# KiCad board r1_panel.kicad_pcb (continued)
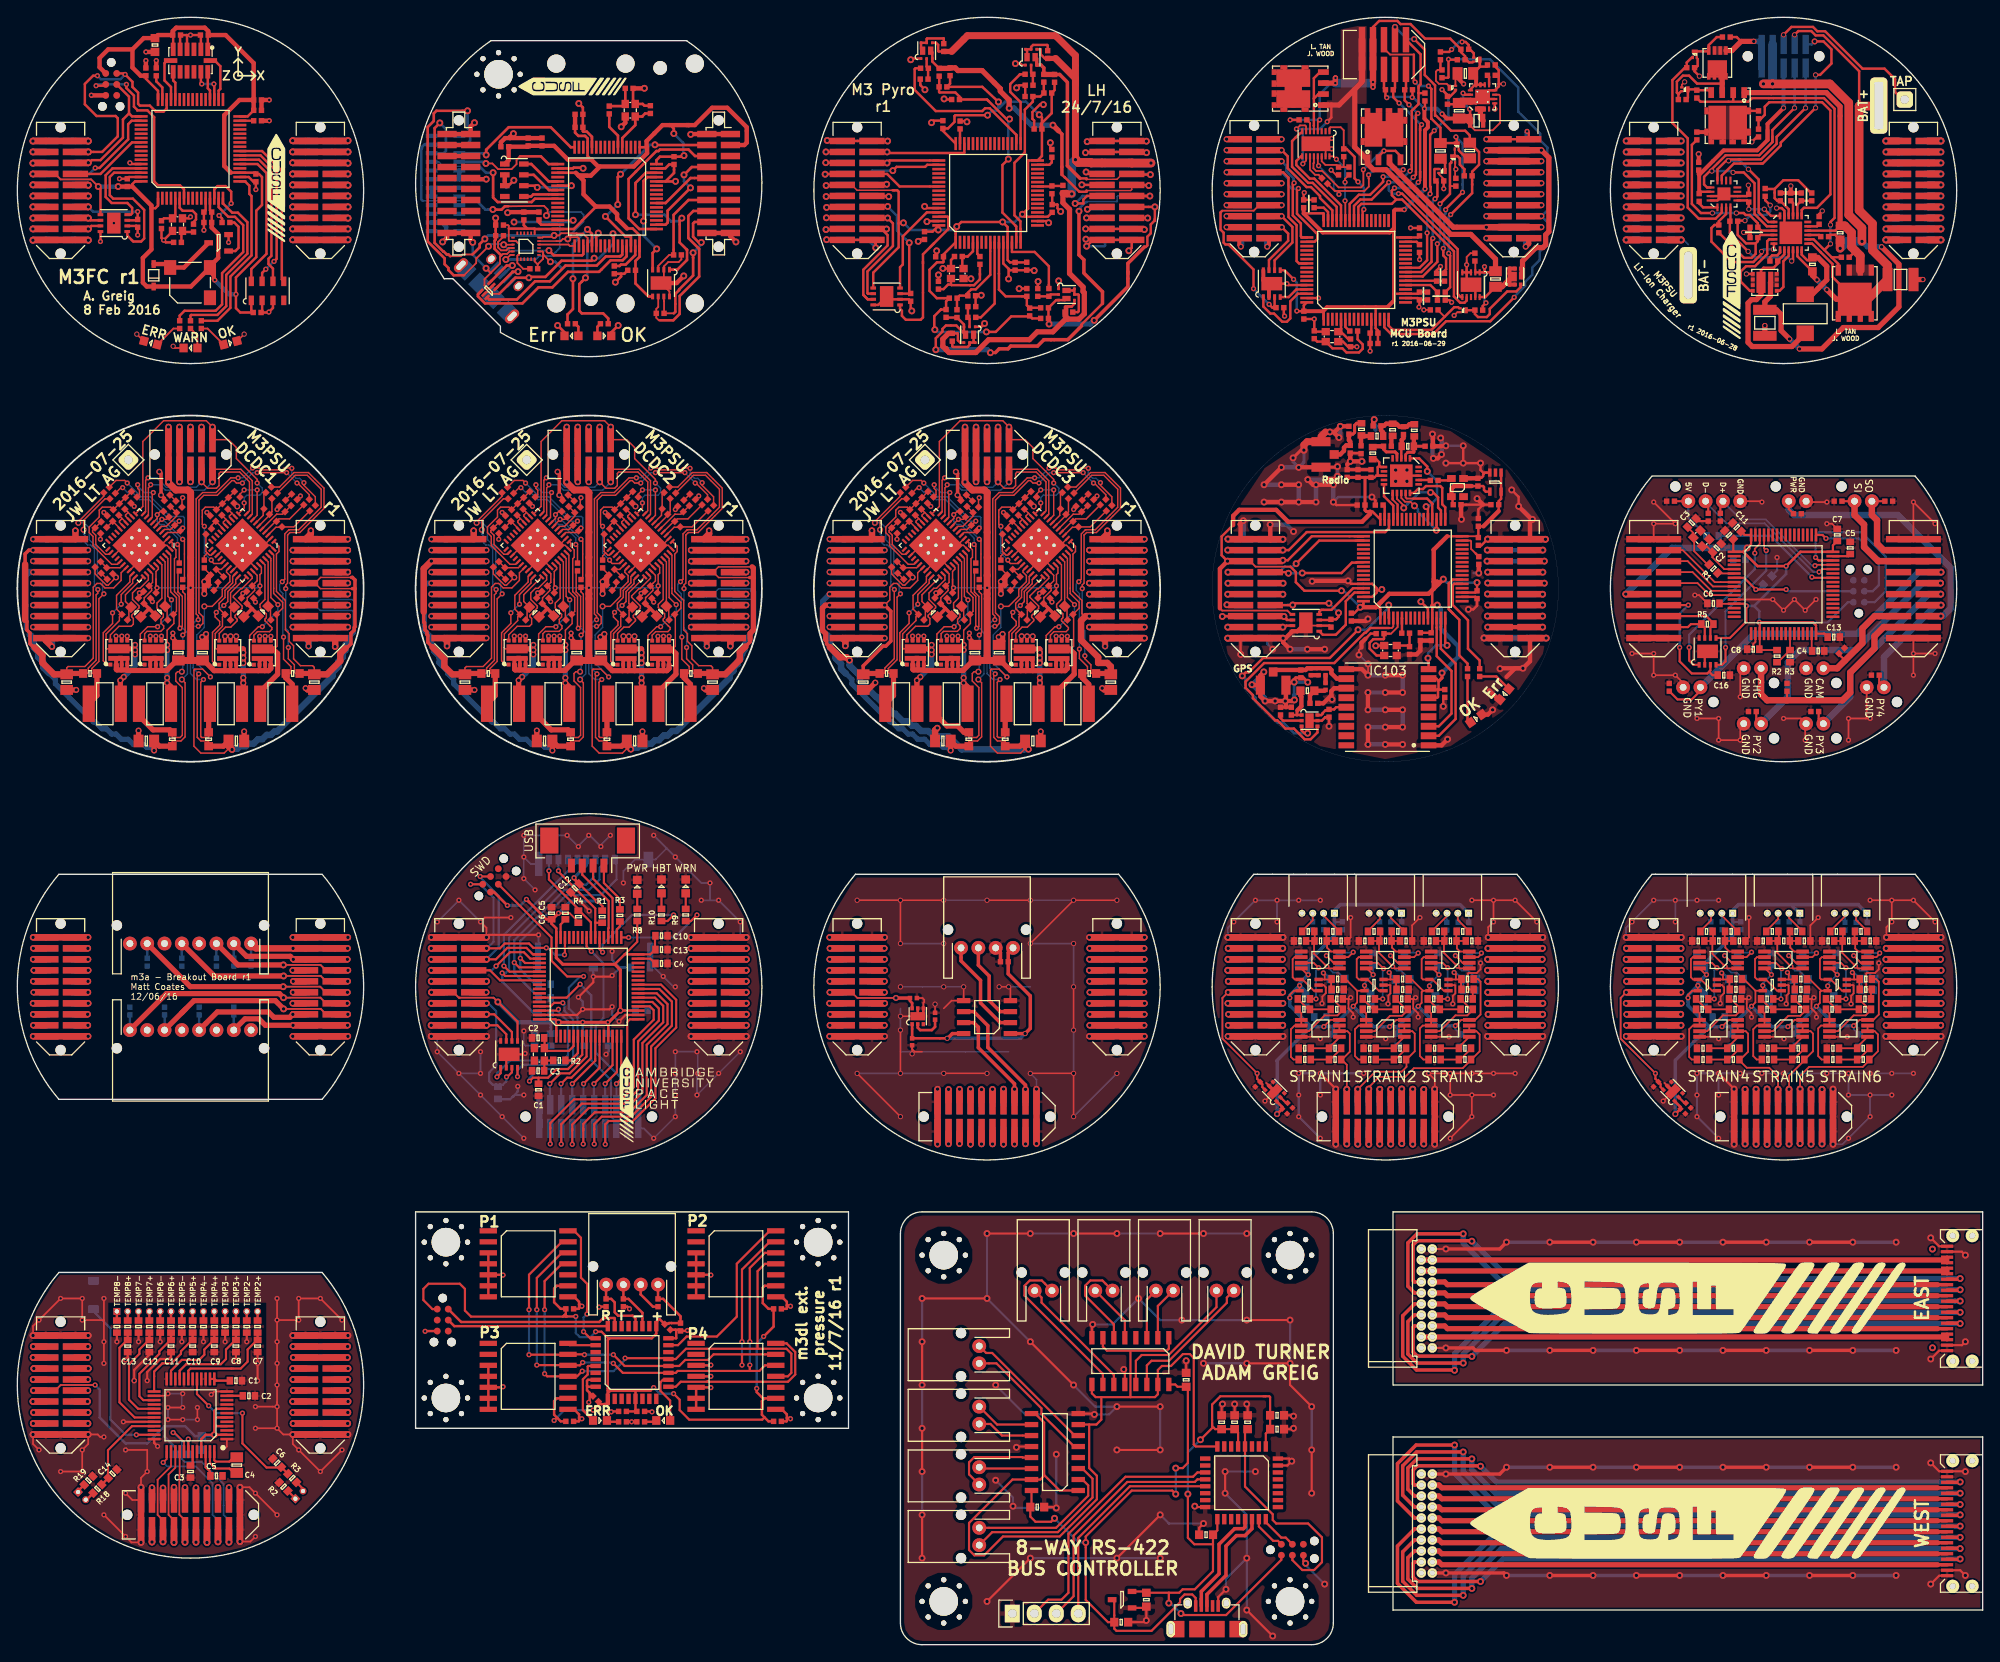
[diagram p0: board, top side]
## Routing (per net, layer and track width the routed paths; a pad name or vN(x,y) marks a point on that pad's centre or on a via; arc(x,y) is an arc through that point) (continued)
  Bottom w0.3: v1(67.1,163.07) 66.9,162.88 66.85,162.88 65.83,161.85 65.83,158.1
/LED_RED: length 47
  Top w0.28: R2.1 18.75,153.54 19.31,154.1 22.91,154.1 23.65,154.84 23.65,158.45 26.09,160.89 26.09,163.99 25.13,164.95 24.37,164.95 23.25,166.07 IC1.15 ; R102.1 168.9,113.7 167.55,115.05 167.55,118.35 165.8,120.11 165.8,122.39 165.95,122.55 IC101.21
  Top w0.3: v1(65.85,163.5) 66.37,162.98 IC1#11.37 ; v1(64.18,157.8) 64.18,154.3 63.55,153.68 R2#11.1
  Bottom w0.3: v1(65.85,163.5) 64.18,161.82 v1(64.18,157.8)
/LED_YLW: length 20.2
  Top w0.28: IC1.16 23.75,166.5 24.82,165.43 25.47,165.43 26.57,164.33 26.57,160.69 24.13,158.25 24.13,154.64 23.11,153.62 20.08,153.62 20,153.54 R3.1
/MISO: length 111.2
  Top w0.2: 51.59,158.2 53,159.61 53,160.2 53.08,160.2 v1(54.43,161.55) ; v1(56.18,161.73) 57.23,161.73 IC4#4.9
  Top w0.25: v3(59.1,38.7) 59.1,42.74 62.9,46.54 IC1#15.13 ; v3(59.1,33.5) 63.56,33.5 IC3#6.13 65.46,33.54 v3(65.5,33.5) ; IC2#13.13 86.9,46.54 83.7,43.34 v3(83.7,35) ; 83.7,33.54 IC4#6.13 ; 83.7,33.54 80.42,33.54 79.77,32.9 77.14,32.9 76.45,32.2 IC5#4.12 70.14,32.2 v3(68.84,33.5) ; 83.7,33.54 v3(83.7,32.3)
  Top w0.3: v1(61.4,161.06) 61.96,160.5 65.23,160.5 65.37,160.64 IC1#11.35 ; v1(52,177.2) 48.4,177.2 48.1,176.9 48.1,176.02 47.4,175.32 47.4,162.1 49.35,160.15 49.35,159.48 49.8,159.03 49.8,158.8 50.4,158.2 51.59,158.2
  Bottom w0.2: v1(54.43,161.55) 54.68,161.8 56.11,161.8 v1(56.18,161.73) 56.85,161.06 v1(61.4,161.06)
  Bottom w0.25: v3(83.7,35) v3(83.7,32.3) ; v3(59.1,33.5) v3(59.1,38.7) ; v3(65.5,33.5) v3(68.84,33.5)
  Bottom w0.3: v1(52,177.2) 52,175.2 52.3,174.9 52.3,173.72 51.88,173.3 U1#3.4
/MOSI: length 102.3
  Top w0.2: 50,160.4 51.23,160.4 51.43,160.6 52.57,160.6 ; IC1#11.36 65.87,162.51 65.33,162.99 65.36,163.02 64.62,163.02 64.59,163.05 62.82,163.05 62.57,162.8 v1(62,162.8) 61.83,162.63 60.73,162.63 60.65,162.55 IC4#4.24
  Top w0.25: v3(65.25,31.6) 64.65,31 IC3#6.11 61.2,31 v3(60.9,31.3) ; IC1#15.11 62.9,44 60.9,42 v3(60.9,38.7) ; 85.5,34.18 85.5,43.15 86.35,44 IC2#13.11 ; 85.5,34.18 77.24,34.18 76.05,33 IC5#4.13 75.1,33.1 v3(70.2,33.1) ; 85.5,34.18 88.84,34.18 89.4,33.63 89.4,31.4 89,31 IC4#6.11
  Top w0.3: 50,160.4 49.8,160.6 49.6,160.6 49.26,160.94 49.2,160.94 48.2,161.94 48.2,175.2 v1(48.8,175.8) ; v1(54,162.4) 53.4,161.8 53.4,161.43 52.57,160.6
  Bottom w0.25: v3(70.2,33.1) 70.2,32.93 68.87,31.6 v3(65.25,31.6) ; v3(60.9,38.7) v3(60.9,31.3)
  Bottom w0.3: v1(48.8,175.8) 49.5,175.1 49.5,172.55 49.25,172.3 U1#3.5 ; v1(62,162.8) 54.4,162.8 v1(54,162.4)
/MPU_IRQ: length 19.6
  Top w0.2: v1(64.2,164.55) 63.67,164.55 63.66,164.54 IC1#11.30 ; IC4#4.12 56.95,160.55 v1(56.42,160.02)
  Top w0.3: 62.43,164.55 IC1#11.30
  Bottom w0.2: 62.61,164.35 62.65,164.31 62.65,161.35 62.17,160.88 62.17,160.87 61.71,160.41 60.26,160.41 59.88,160.03 59.75,160.03
  Bottom w0.3: v1(57.38,164.35) 64,164.35 v1(64.2,164.55) ; v1(56.42,160.02) 56.5,159.94 56.75,159.94 56.84,160.03 59.75,160.03
/nRST: length 26.2
  Top w0.25: C5#16.1 141.8,24.6 IC1#17.4 141.8,18.26 145,15.06 145,14.4 145.4,14 149.09,14 150.69,12.4 150.69,9.53 149.78,8.62 148.42,8.62 147.27,9.77 P1#4.3
/OTG_FS_DM: length 18.9
  Top w0.3: D2#6.6 54.5,155.4 54.5,155.4 57.7,155.4 59.8,157.5 61.5,157.5 63.32,159.32 66.92,159.32 67.98,160.38 69.58,160.38 69.62,160.42 69.71,160.42 69.87,160.58 IC1#11.44
/OTG_FS_DP: length 21.7
  Top w0.3: 53.55,156.35 53.2,156.01 53.2,155.77 54.02,154.95 58.34,154.95 60.19,156.8 61.8,156.8 63.6,158.6 67.2,158.6 68.53,159.93 69.91,159.93 70.37,160.39 IC1#11.45
/OTG_HS_DM: length 29.1
  Top w0.2: v3(208.1,123.92) 208.13,123.92 208.45,124.25 IC1#7.44
  Top w0.25: J13.2 195.3,131.8 D6.1 ; IC1#3.35 68.75,86.25 66.5,88.5 J6.2
  Bottom w0.2: v3(208.1,123.92) 207.43,123.92 201.8,129.55 197.4,129.55 195,131.95 J13.2
/OTG_HS_DP: length 27
  Top w0.2: IC1#7.45 207.75,124.75 207.65,124.65 v3(207.63,124.65)
  Top w0.25: IC1#3.36 68.25,82.75 68.3,82.8 68.3,85.9 65.25,88.95 J6.3 ; D5.1 196.7,131.8 J13.3
  Bottom w0.2: J13.3 197,132.05 199.05,130 201.93,130 207.28,124.65 v3(207.63,124.65)
/OTG_HS_VBUS: length 17.2
  Top w0.25: v3(207.28,123.33) 207.35,123.25 IC1#7.42 ; IC1#3.34 69.25,82.65 69.6,83 69.6,83.5
  Bottom w0.25: v3(207.28,123.33) 202.5,128.1 R4#13.2
/PRESSURE1: length 34.3
  Top w0.25: v3(69.2,64.8) 69.75,65.35 IC1#3.16
  Top w0.3: 111,71.24 110.38,71.87 IC2#14.7
  Top w0.4: 111,71 111,68.96 115.18,64.79 v2(115.18,64.18) ; 111,71 111,71.34 110.48,71.87 IC2#14.7 ; 111,71 111,71.24
  Top w0.74: v2(115.18,64.18) J6#3.16 ; J5#3.16 v2(23.18,18.18) ; J5#2.16 v1(207.18,64.18) ; J5.16 v1(161.18,64.18)
  Bottom w0.25: J7#4.16 69.2,62.39 v3(69.2,64.8)
  Bottom w0.74: J6#4.16 v1(161.18,64.18) ; v2(23.18,18.18) J6#6.16 ; J6#5.16 v1(207.18,64.18) ; J7#7.16 v2(115.18,64.18)
/PRESSURE2: length 36.5
  Top w0.25: IC1#3.17 70.75,72.25 70.45,71.94 v3(70.45,64.8)
  Top w0.4: v2(116.45,64.16) 116.45,64.65 112.1,69 112.1,71.52 110.48,73.13 IC2#14.6
  Top w0.74: v2(116.45,64.16) J6#3.18 ; J5.18 v1(162.45,64.15) ; J5#2.18 v1(208.45,64.15) ; J5#3.18 v2(24.45,18.16)
  Bottom w0.25: v3(70.45,64.8) J7#4.18
  Bottom w0.74: J7#7.18 v2(116.45,64.16) ; v2(24.45,18.16) J6#6.18 ; J6#5.18 v1(208.45,64.15) ; J6#4.18 v1(162.45,64.15)
/PRESSURE3: length 40.4
  Top w0.25: 61.56,59.6 61.56,60.25 64.3,63 69.8,63 71.2,64.4 71.2,69.9 73.5,72.2 73.5,73.3 73.05,73.75 IC1#3.20 ; 61.56,59.6 61.56,59.75 ; 61.56,59.6 v3(61.56,57.85)
  Top w0.74: v2(107.56,57.84) J6#3.3 ; J5#3.3 v1(15.56,11.85) ; J5#2.3 v1(199.56,57.84) ; J5.3 v1(153.56,57.84)
  Bottom w0.25: J7#4.3 v3(61.56,57.85)
  Bottom w0.74: J7#7.3 v2(107.56,57.84) ; J6#4.3 v1(153.56,57.84) ; J6#5.3 v1(199.56,57.84) ; v1(15.56,11.85) J6#6.3
/PRESSURE4: length 41.6
  Top w0.25: v3(66.64,57.84) 66.64,59.5 ; 66.64,59.5 66.64,60.13 67.5,61 70.9,61 73.2,63.3 73.2,69.1 75.6,71.5 75.6,74.3 74.15,75.75 IC1#3.24 ; 66.64,59.5 J7#4.11
  Top w0.74: v2(112.64,57.84) J6#3.11 ; J5#2.11 v1(204.64,57.84) ; J5.11 v1(158.64,57.84) ; J5#3.11 v1(20.64,11.84)
  Bottom w0.25: J7#4.11 v3(66.64,57.84)
  Bottom w0.74: v1(20.64,11.84) J6#6.11 ; J6#5.11 v1(204.64,57.84) ; J6#4.11 v1(158.64,57.84) ; v2(112.64,57.84) J7#7.11
/PRESSURE5: length 41.6
  Top w0.25: v3(67.91,57.81) 67.91,60.1 68.3,60.5 71.1,60.5 73.7,63.1 73.7,68.9 76.1,71.3 76.1,74.5 74.35,76.25 IC1#3.25
  Top w0.74: J5#3.13 v1(21.91,11.81) ; J5#2.13 v1(205.91,57.9) ; J5.13 v1(159.91,57.9) ; v2(113.91,57.81) J6#3.13
  Bottom w0.25: J7#4.13 v3(67.91,57.81)
  Bottom w0.74: J6#4.13 v1(159.91,57.9) ; J6#5.13 v1(205.91,57.9) ; v2(113.91,57.81) J7#7.13 ; v1(21.91,11.81) J6#6.13
/PWR: length 228.7
  Top w0.2: v1(30.75,73.45) 35.05,73.45 35.68,72.82 J2#4.16
  Top w0.25: D8.1 204.6,131.2 J10#2.1 205.05,132.55
  Top w0.28: v2(176.03,165.03) 176.03,165.03 ; 166.28,183.06 R1#11.2 165.35,183.1 v3(165.3,183.15) 165.3,181.08 165.24,181.02 164.45,181.02 ; v2(222.18,164.83) 222.18,164.82 ; v3(172.89,155.65) 170.13,152.89 165.02,152.89 163.54,151.41 158.67,151.41 157.89,152.2 IC1#12.15 ; v1(130.56,164.81) 130.54,164.82 J11.16
  Top w0.4: 221.79,36.51 J2#9.16
  Top w0.5: J103.16 v1(176.18,118.83)
  Top w0.6: 176.03,165.03 174.57,165.03 ; 19,73 J6#2.3 ; 19,73 20.4,74.4 29.8,74.4 v1(30.75,73.45) ; 19,73 19.45,73.45 ; J1#14.16 164.87,36.82 165.18,36.51 221.79,36.51
  Top w0.74: v2(130.18,118.82) 130.18,118.83 J4#3.16 ; v2(38.18,118.82) 38.18,118.83 J4.16 ; J2#3.16 v1(222.18,72.82) ; J2#2.16 v1(176.18,72.82) ; J2#5.16 v1(38.18,26.82) ; v1(38.2,164.8) 38.18,164.82 J3.16 ; J2.16 v1(84.2,72.82) ; J2#6.16 v1(222.18,118.83) ; v2(84.18,118.82) 84.18,118.83 J4#2.16 ; J2#10.16 v2(130.18,72.82) ; J2#4.16 v2(38.18,72.82)
  Top w0.8: 222.18,164.82 J4#6.16
  Bottom w0.2: 31.4,73.45 35.05,73.45 35.68,72.82 J4#12.16 ; 31.4,73.45 31,73.45 ; 31.4,73.45 v1(30.75,73.45)
  Bottom w0.28: 176.03,165.03 v2(176.03,165.03) ; v2(176.03,165.03) 176.04,165.03 176.73,165.72 176.73,172.95 175.91,173.77 175.91,174.54 173.35,177.1 173.35,179.9 170.1,183.15 v3(165.3,183.15) 165.33,183.12 ; v2(176.03,165.03) 176.94,164.12 176.94,163.18 176.45,162.69 176.45,161.54 175.84,160.93 175.84,159.97 174.98,159.11 174.98,158.26 174.15,157.43 174.15,156.97 172.89,155.71 v3(172.89,155.65) ; 222.18,164.82 v2(222.18,164.83) ; J12.16 128.38,164.81 v1(130.56,164.81) ; D7#4.1 J6#2.3
  Bottom w0.5: J104.16 v1(176.18,118.83)
  Bottom w0.6: 174.22,165.03 176.03,165.03
  Bottom w0.74: v1(176.18,72.82) J4#10.16 ; J10#2.1 204.6,131.1 205.2,130.5 217.2,130.5 223.3,124.4 223.3,119.7 222.43,118.83 v1(222.18,118.83) ; v2(84.18,118.82) 82.37,118.82 J5#7.16 ; v1(38.2,164.8) 38.18,164.82 J4#8.16 ; v1(84.2,72.82) J4#9.16 ; v2(130.18,72.82) J5#11.16 ; v2(38.18,118.82) 36.37,118.82 J5#6.16 ; v2(130.18,118.82) 128.37,118.82 J5#8.16 ; v1(222.18,72.82) J4#11.16 ; v2(38.18,72.82) J4#12.16 ; v1(38.18,26.82) J4#13.16
  Bottom w0.8: J5#10.16 222.18,164.82
/PYRO1: length 165.2
  Top w0.2: v1(30.73,78.53) 35.03,78.53 35.65,77.91 J2#4.8
  Top w0.25: D1#6.1 191.75,109.2 193.4,109.2 194.4,110.2 J5#5.1
  Top w0.28: v2(176.03,170.1) 176.03,170.1 ; 222.18,169.91 v2(222.18,169.9)
  Top w0.4: 221.79,41.59 J2#9.8
  Top w0.5: J103.8 176.2,123.91 v1(176.2,123.9)
  Top w0.6: 176.03,170.1 174.57,170.1 ; 221.79,41.59 165.18,41.59 164.87,41.91 J1#14.8 ; J5#4.3 25.48,78.53 v1(30.73,78.53)
  Top w0.74: J3.8 38.2,169.91 v1(38.2,169.9) ; J2#2.8 v1(176.2,77.91) ; J2#3.8 v1(222.2,77.91) ; J2#6.8 v1(222.2,123.91) ; J2#10.8 v2(130.2,77.91) ; v2(38.18,123.91) 38.18,123.91 J4.8 ; v2(130.18,123.91) 130.18,123.91 J4#3.8 ; J2#4.8 v2(38.2,77.91) ; v2(84.18,123.91) 84.18,123.91 J4#2.8 ; J2#5.8 v1(38.2,31.91) ; J2.8 v1(84.2,77.91)
  Top w0.8: J4#6.8 222.18,169.91
  Bottom w0.2: 31.5,78.53 31.03,78.53 ; 31.5,78.53 v1(30.73,78.53) ; 31.5,78.53 33.89,78.53 35.03,78.53 35.65,77.91 J4#12.8
  Bottom w0.28: 176.03,170.1 v2(176.03,170.1) ; v2(222.18,169.9) 222.18,169.91 ; D3#12.1 J5#4.3
  Bottom w0.5: v1(176.2,123.9) 176.2,123.91 J104.8
  Bottom w0.6: 174.22,170.1 176.03,170.1
  Bottom w0.74: v1(222.2,123.91) 219.61,123.91 212.5,116.8 200.6,116.8 J5#5.1 ; v2(38.18,123.91) 36.37,123.91 J5#6.8 ; J4#13.8 v1(38.2,31.91) ; J4#10.8 v1(176.2,77.91) ; v1(38.2,169.9) 38.2,169.91 J4#8.8 ; v2(38.2,77.91) J4#12.8 ; J5#11.8 v2(130.2,77.91) ; J5#7.8 82.37,123.91 v2(84.18,123.91) ; v1(84.2,77.91) J4#9.8 ; J5#8.8 128.37,123.91 v2(130.18,123.91) ; J4#11.8 v1(222.2,77.91)
  Bottom w0.8: 222.18,169.91 J5#10.8
/PYRO1_BOT: length 31.4
  Top w0.16: 127.63,169.91 127.01,169.28 123.49,169.28
  Top w0.2: 127.63,169.91 J11.8
  Top w0.28: 118.57,181.4 R9.1 118.92,181.41 ; 123.49,169.28 123.49,169.39 122.74,169.39 ; 129.81,169.91 J11.8 128.79,169.83 v1(130.87,169.83) ; 121.28,180.5 121.16,180.63 ; 117.74,183.21 Q1#2.D2
  Top w0.4: R9.1 118.56,182.16 118.24,182.48 Q1#2.D2 117.74,183.21 ; 121.16,180.63 120.39,181.4 119.8,181.4 ; 121.28,180.5 121.28,170.84 122.74,169.39
  Top w0.6: 119.8,181.4 118.57,181.4
  Bottom w0.28: 129.76,169.91 J12.8 130.8,169.91 v1(130.87,169.83)
/PYRO1_RESISTANCE: length 20.7
  Top w0.28: IC1#2.16 115.88,163.54 115.86,163.56 115.86,164.43 115.17,165.12 115.17,171.19 116.37,172.39 116.37,177.33 117.3,178.26 C2#3.1 118.16,178.85 D2#2.2 118.56,179.27 R9.2
/PYRO2: length 162.9
  Top w0.2: v1(30.76,77.26) 35.05,77.26 35.67,76.63 J2#4.10
  Top w0.25: D2#7.1 200.85,106.95 J8#5.1
  Top w0.28: v2(222.18,168.64) 222.18,168.63
  Top w0.4: 221.79,40.32 J2#9.10
  Top w0.5: J103.10 176.37,122.64 v1(176.37,122.63)
  Top w0.6: v2(176.03,168.84) 176.03,168.84 J4#4.10 ; v1(30.76,77.26) 22.75,77.26 J5#4.5 ; J1#14.10 164.87,40.63 165.18,40.32 221.79,40.32
  Top w0.74: J4#2.10 82.72,122.64 v2(84.18,122.64) ; v2(38.18,122.64) 36.72,122.64 J4.10 ; J2.10 v1(84.19,76.63) ; J2#3.10 v1(222.17,76.63) ; v2(130.18,122.64) 128.72,122.64 J4#3.10 ; J2#5.10 v1(38.17,30.63) ; J2#10.10 v2(130.17,76.63) ; J2#4.10 v2(38.17,76.63) ; J2#2.10 v1(176.17,76.63) ; v1(38.2,168.6) 38.17,168.63 J3.10 ; J2#6.10 v1(222.14,122.64)
  Top w0.8: 222.18,168.63 J4#6.10
  Bottom w0.2: 31.4,77.26 35.05,77.26 35.67,76.63 J4#12.10 ; 31.4,77.26 v1(30.76,77.26) ; 31.4,77.26 31.01,77.26
  Bottom w0.28: 222.18,168.63 v2(222.18,168.64) ; D2#13.1 J5#4.5
  Bottom w0.5: J104.10 174.37,122.63 v1(176.37,122.63)
  Bottom w0.6: v2(176.03,168.84) 176.03,168.84 J5#9.10
  Bottom w0.74: v2(38.18,122.64) 38.18,122.64 J5#6.10 ; J5#11.10 v2(130.17,76.63) ; v1(38.17,30.63) J4#13.10 ; J8#5.1 204.5,109.5 204.5,113.5 205.9,114.9 212.3,114.9 220.04,122.64 v1(222.14,122.64) ; J4#12.10 v2(38.17,76.63) ; v2(130.18,122.64) 130.18,122.64 J5#8.10 ; v1(222.17,76.63) J4#11.10 ; v2(84.18,122.64) 84.18,122.64 J5#7.10 ; v1(176.17,76.63) J4#10.10 ; J4#8.10 38.17,168.63 v1(38.2,168.6) ; v1(84.19,76.63) J4#9.10
  Bottom w0.8: J5#10.10 222.18,168.63
/PYRO2_BOT: length 42.2
  Top w0.16: 123.49,167.85 123.63,167.99 128.6,167.99 128.72,168.1 J11.10
  Top w0.28: 113.53,179.53 113.53,179.75 113.53,179.74 ; Q2.D2 105.68,183.96 Q2.D2 105.68,182.9 R15.1 ; 107.67,182.1 R3#3.2 ; v1(130.68,168.56) 130.61,168.63 J11.10 129.81,168.63 ; 123.49,167.99 123.49,167.85 122.66,167.85 120.99,169.51 120.97,169.51 120.65,169.83 ; 112.67,180.61 112.85,180.44
  Top w0.4: 120.27,174.89 120.65,174.51 120.65,169.83
  Top w0.6: v1(119.61,175.54) 120.27,174.89 ; R15.1 107.67,182.1 ; 113.53,179.75 113.53,179.47 114.56,178.44 v1(114.56,177.5) ; 113.53,179.75 113.53,179.74 ; 113.53,179.75 111.44,181.85 108.64,181.85 108.33,182.16 R3#3.2
  Bottom w0.28: v1(130.68,168.56) 128.44,168.56 J12.10 129.76,168.63 ; 114.58,177.52 v1(114.56,177.5)
  Bottom w0.6: 114.58,177.52 115.14,177.52 117.12,175.54 v1(119.61,175.54)
/PYRO2_RESISTANCE: length 26.9
  Top w0.28: 112.16,178.34 112,178.51 C1#3.1 108.82,178.84 108.34,179.32 106.53,179.32 106.47,179.38 D1#9.2 106.48,179.98 R15.2 ; 112.16,178.34 112,178.5 ; 112.16,178.34 114.25,176.25 v1(114.6,176.25) ; IC1#2.15 115.38,163.84 115.27,163.96 115.27,163.96 113.78,165.44 113.78,170.94 v1(114.46,171.62)
  Bottom w0.28: v1(114.46,171.62) 114.46,176.11 v1(114.6,176.25)
/PYRO3: length 158.5
  Top w0.2: J2#4.12 35.64,75.37 34.99,76.01 v1(30.72,76.01)
  Top w0.25: 208.06,107.8 208.06,106.94 J6#7.1
  Top w0.28: v2(176.03,167.57) 176.03,167.56 ; 222.18,167.37 v2(222.18,167.36)
  Top w0.4: 221.79,39.05 J2#9.12
  Top w0.5: v1(176.18,121.35) 176.16,121.36 J103.12
  Top w0.6: 176.03,167.56 174.57,167.56 ; J1#14.12 164.87,39.37 165.18,39.05 221.79,39.05 ; J5#4.7 19.99,76.01 v1(30.72,76.01)
  Top w0.74: J2#3.12 v1(222.14,75.37) ; J2#2.12 v1(176.14,75.37) ; J2#6.12 v1(222.17,121.36) ; J2#10.12 v2(130.14,75.37) ; J4#2.12 84.18,121.36 v2(84.18,121.37) ; J2.12 v1(84.19,75.37) ; J3.12 38.19,167.37 v1(38.2,167.35) ; v2(38.18,121.37) 38.18,121.36 J4.12 ; v2(130.18,121.37) 130.18,121.36 J4#3.12 ; J2#5.12 v1(38.17,29.37) ; J2#4.12 v2(38.14,75.37)
  Top w0.8: J4#6.12 222.18,167.37
  Bottom w0.2: J4#12.12 35.64,75.37 34.99,76.01 31.4,76.01 ; 31.4,76.01 v1(30.72,76.01) ; 31.4,76.01 31.02,76.01
  Bottom w0.28: 176.03,167.56 v2(176.03,167.57) ; v2(222.18,167.36) 222.18,167.37 ; D1#15.1 J5#4.7
  Bottom w0.5: v1(176.18,121.35) 176.16,121.36 J104.12
  Bottom w0.6: 174.22,167.56 176.03,167.56
  Bottom w0.74: J5#7.12 82.37,121.37 v2(84.18,121.37) ; v1(222.14,75.37) J4#11.12 ; v2(38.14,75.37) J4#12.12 ; J5#8.12 128.37,121.37 v2(130.18,121.37) ; J4#13.12 v1(38.17,29.37) ; v1(176.14,75.37) J4#10.12 ; v2(130.14,75.37) J5#11.12 ; v2(38.18,121.37) 36.37,121.37 J5#6.12 ; v1(222.17,121.36) 220.77,121.36 211.7,112.3 211.7,109.5 J6#7.1 ; v1(84.19,75.37) J4#9.12 ; v1(38.2,167.35) 38.19,167.37 J4#8.12
  Bottom w0.8: 222.18,167.37 J5#10.12
/PYRO3_BOT: length 57.9
  Top w0.28: v1(130.81,167.35) 128.73,167.35 J11.12 130.46,167.37 ; 123.19,158.57 123.19,158.45 ; 122.91,152.34 122.91,152.51 125.34,154.94 ; 112.96,149.25 v1(112.39,149.25) ; R4#3.2 107.3,153.32 R16.1 109.34,152.51 Q3.D2 109.34,151.52 Q3.D2 108.45,152.4 107.25,152.4 106.86,152 106.86,151.7 106.09,150.93 v1(106.09,149.6) 106.17,149.68 106.26,149.68
  Top w0.4: 122.91,152.34 121.33,150.76 119.4,150.76 119.4,150.76 118.57,150.76 117.84,150.02 114.74,150.02 114.43,149.7 113.41,149.7 112.96,149.25 ; 123.19,158.45 125.34,156.3 125.34,154.94 ; 123.19,158.57 123.19,159.99 122.62,160.55 v1(122.62,165.6)
  Bottom w0.16: 127,166.72 123.63,166.72 ; 127,166.72 127,166.72 126.99,166.73 ; 127,166.72 127.03,166.74 127.03,167.3 127.1,167.37 J12.12 128.35,167.35 ; 123.63,166.72 123.46,166.72 ; 123.63,166.72 123.5,166.59 123.32,166.59
  Bottom w0.2: 122.81,166.08 123.45,166.73
  Bottom w0.28: v1(130.81,167.35) 130.8,167.37 J12.12 ; v1(122.62,165.6) 122.81,165.79 122.81,166.08 123.3,166.57
  Bottom w0.6: v1(112.39,149.25) 112.05,149.6 v1(106.09,149.6)
/PYRO3_RESISTANCE: length 10.5
  Top w0.28: IC1#2.9 112.38,158.26 110.7,156.57 110.19,156.57 109.78,156.17 C3#3.1 109.78,156.13 ; 109.78,155.84 108.84,155.84 D3#8.2 108.53,155.54 R16.2
/PYRO4: length 152
  Top w0.2: v1(30.75,74.74) 35.01,74.74 35.66,74.09 J2#4.14
  Top w0.25: J9#5.1 215.05,111.15 D4#5.1
  Top w0.28: 176.03,166.3 v2(176.03,166.3) ; v2(222.18,166.09) 222.18,166.09
  Top w0.4: 221.79,37.78 J2#9.14
  Top w0.5: v1(176.18,120.1) 176.17,120.09 J103.14
  Top w0.6: J1#14.14 164.87,38.09 165.18,37.78 221.79,37.78 ; J6#2.1 17.22,75.21 30.28,75.21 v1(30.75,74.74) ; J4#4.14 176.03,166.3 ; v2(176.03,166.3) 176.03,166.29
  Top w0.74: J2#4.14 v2(38.11,74.09) ; J2#6.14 v1(222.2,120.09) ; v2(84.18,120.1) 82.72,120.1 J4#2.14 ; J2#3.14 v1(222.2,74.09) ; J4.14 36.72,120.1 v2(38.18,120.1) ; J2#2.14 v1(176.2,74.09) ; v1(38.2,166.1) 38.2,166.09 J3.14 ; J2#5.14 v1(38.2,28.09) ; J2#10.14 v2(130.2,74.09) ; J2.14 v1(84.2,74.09) ; v2(130.18,120.1) 128.72,120.1 J4#3.14
  Top w0.8: 222.18,166.09 J4#6.14
  Bottom w0.2: 31.5,74.74 35.01,74.74 35.66,74.09 J4#12.14 ; 31.5,74.74 31.01,74.74 ; 31.5,74.74 v1(30.75,74.74)
  Bottom w0.28: v2(176.03,166.3) 176.03,166.3 ; 222.18,166.09 v2(222.18,166.09) ; D4#10.1 J6#2.1
  Bottom w0.5: J104.14 176.17,120.09 v1(176.18,120.1)
  Bottom w0.6: 176.03,166.3 J5#9.14
  Bottom w0.74: J4#11.14 v1(222.2,74.09) ; J9#5.1 215.6,114.1 221.6,120.09 v1(222.2,120.09) ; J4#13.14 v1(38.2,28.09) ; v2(84.18,120.1) 84.18,120.09 J5#7.14 ; J5#8.14 130.18,120.09 v2(130.18,120.1) ; v2(38.18,120.1) 38.18,120.09 J5#6.14 ; J4#10.14 v1(176.2,74.09) ; J4#12.14 v2(38.11,74.09) ; v1(38.2,166.1) 38.2,166.09 J4#8.14 ; v1(84.2,74.09) J4#9.14 ; J5#11.14 v2(130.2,74.09)
  Bottom w0.8: J5#10.14 222.18,166.09
/PYRO4_BOT: length 35
  Top w0.28: 128.27,157.65 128.27,157.83 128.27,156.88 ; Q4.D2 121,155.33 Q4.D2 119.99,155.33 R17.1 R7.2 119.1,152.58 119.16,152.58 v1(119.17,152.57) ; 131.39,164.69 131.39,164.5 ; 131.39,164.69 131.39,164.55 130.91,164.08 130.91,163.05 130.52,162.65 130.52,161.64 130.35,161.47 130.17,161.47 ; 131.39,164.69 v1(131.39,166.1) 131.38,166.09 J11.14 129.81,166.09
  Top w0.4: 128.27,158.59 128.27,156.96 ; 128.27,158.59 128.27,159.57 130.17,161.47 ; 128.27,158.59 128.27,158.36 ; v1(124.38,152.99) 128.27,156.88
  Bottom w0.28: v1(131.39,166.1) 131.38,166.09 J12.14 129.11,166.09
  Bottom w0.6: v1(124.38,152.99) 123.95,152.57 v1(119.17,152.57)
/PYRO4_RESISTANCE: length 12.4
  Top w0.28: IC1#2.11 113.38,158.37 113.38,158.37 113.38,156.54 114.15,155.77 C4#3.1 ; 116.01,155.77 C4#3.1 ; C4#3.1 116.6,154.74 D4#6.2 116.95,154.44 R17.2
/PYRO_SI: length 361.1
  Top w0.25: D12.1 J7#6.1
  Top w0.28: 176.03,171.38 v2(176.03,171.38) ; 169.68,171.38 v2(169.67,171.37) ; v2(222.18,171.18) 222.18,171.18 ; v2(215.82,171.17) 215.83,171.18 ; Q3.S2 108.91,150.42 108.64,150.69 108.64,151.43 108.58,151.49 R10.1 ; 121.79,154.59 121.06,154.59 121,154.53 R11.1 121,153.35 ; 121.79,154.59 121.32,154.59 121.25,154.53 121.25,153.36 121.32,153.29 ; 121.79,154.59 122.09,154.9 Q4.S2 ; R8.1 106.41,184.06 106.35,184.12 106.35,184.81 106.11,185.06 Q2.S2 ; J11.5 J12.5 ; Q1#2.S2 118.17,184.31 118.21,184.27 118.21,183.72 118.68,183.25 R1#3.1 ; 121.71,167.68 v1(121.79,167.6)
  Top w0.4: 222.89,43.16 222.88,43.18 ; 222.89,43.16 J2#9.5 ; 222.89,43.16 J2#9.6
  Top w0.5: 49.64,171.97 52.37,171.97 ; v1(176.38,125.17) J103.6 ; J103.5 v1(169.75,125.17)
  Top w0.6: 121.29,153.13 121.29,153.22 121,153.51 ; 121.29,153.13 122.63,153.13 123.24,153.74 123.24,156.19 123.09,156.33 123.09,156.84 121.53,158.41 121.53,165.81 120.77,166.58 R26#6.1 ; 121.29,153.13 121.07,153.13 119.6,151.67 117.8,151.67 116.9,150.76 112.19,150.76 110.71,149.28 107.61,149.28 107.29,149.6 ; J1#14.5 J1#14.6 222.88,43.18 ; 107.29,149.6 107.29,149.74 ; 107.29,149.6 106.9,149.99 106.9,150.83 107.55,151.49 R10.1 ; J4#4.6 176.03,171.38 ; J5#4.2 26.48,79.52 31.53,79.52 v2(31.88,79.18) ; J4#4.5 169.68,171.38 ; 119.92,183.25 R1#3.1 ; R8.1 107.91,184.06
  Top w0.74: v2(31.82,125.17) 33.28,125.17 J4.5 J4.6 36.72,125.17 v2(38.18,125.17) ; v1(222.13,79.18) J2#3.6 J2#3.5 v1(215.83,79.18) ; v1(38.2,171.15) 38.18,171.18 J3.6 J3.5 31.83,171.18 v1(31.8,171.2) ; v1(31.88,33.18) J2#5.5 J2#5.6 v1(38.13,33.18) ; v1(77.8,79.18) J2.5 J2.6 v1(84.2,79.18) ; v1(169.83,79.18) J2#2.5 J2#2.6 v1(176.13,79.18) ; v2(84.18,125.17) 82.72,125.17 J4#2.6 J4#2.5 79.28,125.17 v2(77.82,125.17) ; v2(31.88,79.18) J2#4.5 J2#4.6 v2(38.13,79.18) ; v2(123.83,79.18) J2#10.5 J2#10.6 v2(130.18,79.18) ; v2(130.18,125.17) 128.72,125.17 J4#3.6 J4#3.5 125.28,125.17 v2(123.82,125.17) ; J7#6.1 212.2,130.5 213.3,129.4 213.3,126.8 214.93,125.17 J2#6.5 J2#6.6
  Top w0.8: 222.18,171.18 J4#6.6 J4#6.5 215.83,171.18 ; v1(122.21,171.55) 122.21,180.18 ; 122.21,180.18 122.21,180.95 119.92,183.25 ; 122.21,180.18 122.21,183.59 119.92,185.88 109.74,185.88 107.91,184.06 ; v1(121.79,167.6) 121.23,167.6 121.16,167.67 120.77,167.67 ; J4#4.6 J4#4.5
  Top w1: v1(130.94,171.16) 128.73,171.16 J11.6 J11.5 124.03,171.18 123.97,171.23 122.54,171.23 122.31,171.45 122.31,171.55
  Bottom w0.28: v2(176.03,171.38) 176.03,171.38 ; v2(169.67,171.37) 169.68,171.38 ; 222.18,171.18 v2(222.18,171.18) ; 215.83,171.18 v2(215.82,171.17) ; 124.9,171.18 J12.5 ; D8#4.1 J5#4.2 ; 122.19,171.53 v1(122.21,171.55) ; J12.6 J11.6
  Bottom w0.5: J104.6 v1(176.38,125.17) ; J104.6 v1(169.75,125.17) J104.5 J104.6
  Bottom w0.6: 176.03,171.38 J5#9.6 ; 169.68,171.38 J5#9.5
  Bottom w0.74: v2(130.18,79.18) J5#11.6 J5#11.5 v2(123.83,79.18) ; v2(38.18,125.17) 38.18,125.17 J5#6.6 J5#6.5 31.83,125.17 v2(31.82,125.17) ; v1(31.8,171.2) 31.83,171.18 J4#8.5 J4#8.6 38.18,171.18 v1(38.2,171.15) ; v1(38.13,33.18) J4#13.6 J4#13.5 v1(31.88,33.18) ; v2(38.13,79.18) J4#12.6 J4#12.5 v2(31.88,79.18) ; v1(222.13,79.18) J4#11.6 J4#11.5 v1(215.83,79.18) ; v2(130.18,125.17) 130.18,125.17 J5#8.6 J5#8.5 123.83,125.17 v2(123.82,125.17) ; v1(77.8,79.18) J4#9.5 J4#9.6 v1(84.2,79.18) ; v2(77.82,125.17) 77.83,125.17 J5#7.5 J5#7.6 84.18,125.17 v2(84.18,125.17) ; v1(169.83,79.18) J4#10.5 J4#10.6 v1(176.13,79.18)
  Bottom w0.8: 215.83,171.18 J5#10.5 J5#10.6 222.18,171.18 ; J5#9.5 J5#9.6
  Bottom w1: v1(121.79,167.6) 121.79,171.13 v1(122.21,171.55) 122.54,171.23 123.97,171.23 124.03,171.18 J12.5 J12.6 130.92,171.18 v1(130.94,171.16)
/PYRO_SO: length 279
  Top w0.2: 173.85,158.02 173.72,158.15 Q8.D
  Top w0.25: D11.1 J7#6.2
  Top w0.28: 176.03,172.65 v2(176.03,172.65) ; v2(169.67,172.64) 169.68,172.65 ; 173.66,158.16 Q8.D Q8.D ; 222.18,172.44 v2(222.18,172.44) ; v2(215.82,172.45) 215.83,172.44 ; v1(123.38,172.37) 123.46,172.44 J11.3 J11.4 130.35,172.44 v1(130.43,172.37)
  Top w0.4: 222.89,44.41 222.86,44.44 ; 222.89,44.41 J2#9.4 ; 222.89,44.41 J2#9.3
  Top w0.5: v1(169.78,126.45) 169.78,126.44 J103.3 ; J4#5.4 J4#5.3 ; v1(176.2,126.45) 174.72,126.45 J103.4
  Top w0.6: 169.68,172.65 J4#4.3 ; v2(176.03,172.65) 176.9,171.78 176.9,163.25 176.53,162.88 176.53,161.71 176.21,161.4 175.4,161.4 173.85,159.85 173.85,158.02 ; J4#4.4 176.03,172.65 ; 222.86,44.44 J1#14.4 J1#14.3
  Top w0.74: v1(31.85,34.44) J2#5.3 J2#5.4 v1(38.15,34.44) ; v2(84.18,126.44) 84.18,126.44 J4#2.4 J4#2.3 77.83,126.44 v2(77.82,126.45) ; J2#6.4 J2#6.3 215.56,126.44 214.8,127.2 214.8,129.9 214.2,130.5 J7#6.2 ; v1(31.8,172.45) 31.81,172.44 J3.3 J3.4 38.2,172.44 v1(38.2,172.45) ; v1(176.16,80.44) J2#2.4 J2#2.3 v1(169.86,80.44) ; J2.4 v1(84.2,80.44) J2.3 v1(77.81,80.44) ; J5#4.1 27.56,80.44 v2(31.85,80.44) J2#4.3 J2#4.4 v2(38.16,80.44) ; v2(123.82,126.45) 123.83,126.44 J4#3.3 J4#3.4 130.18,126.44 v2(130.18,126.44) ; v2(130.16,80.44) J2#10.4 J2#10.3 v2(123.85,80.44) ; v2(38.18,126.44) 38.18,126.44 J4.4 J4.3 31.83,126.44 v2(31.82,126.45) ; v1(222.16,80.44) J2#3.4 J2#3.3 v1(215.86,80.44)
  Top w0.8: 215.83,172.44 J4#6.3 J4#6.4 222.18,172.44 ; J4#4.4 J4#4.3
  Bottom w0.28: v2(176.03,172.65) 176.03,172.65 ; 169.68,172.65 v2(169.67,172.64) ; v2(222.18,172.44) 222.18,172.44 ; 215.83,172.44 v2(215.82,172.45) ; D9#4.1 J5#4.1 ; v1(130.43,172.37) 128.44,172.37 J12.4 J12.3 125.56,172.37 v1(123.38,172.37)
  Bottom w0.5: v1(169.78,126.45) 171.63,126.45 J104.3 J104.4 176.2,126.44 v1(176.2,126.45)
  Bottom w0.6: 176.03,172.65 J5#9.4 ; J5#9.3 169.68,172.65
  Bottom w0.74: v2(38.16,80.44) J4#12.4 J4#12.3 v2(31.85,80.44) ; v2(130.18,126.44) 128.37,126.44 J5#8.4 J5#8.3 125.63,126.45 v2(123.82,126.45) ; v1(169.86,80.44) J4#10.3 J4#10.4 v1(176.16,80.44) ; v1(215.86,80.44) J4#11.3 J4#11.4 v1(222.16,80.44) ; v2(84.18,126.44) 82.37,126.44 J5#7.4 J5#7.3 79.63,126.45 v2(77.82,126.45) ; v1(31.8,172.45) 31.81,172.44 J4#8.3 J4#8.4 38.2,172.44 v1(38.2,172.45) ; v2(31.82,126.45) 33.63,126.45 J5#6.3 J5#6.4 36.37,126.44 v2(38.18,126.44) ; v1(84.2,80.44) J4#9.4 J4#9.3 v1(77.81,80.44) ; v1(38.15,34.44) J4#13.4 J4#13.3 v1(31.85,34.44) ; v2(123.85,80.44) J5#11.3 J5#11.4 v2(130.16,80.44)
  Bottom w0.8: 222.18,172.44 J5#10.4 J5#10.3 215.83,172.44 ; J5#9.3 J5#9.4
